# Altium PCB UmTRXv21.PcbDoc (part 9 of 19) (continued)
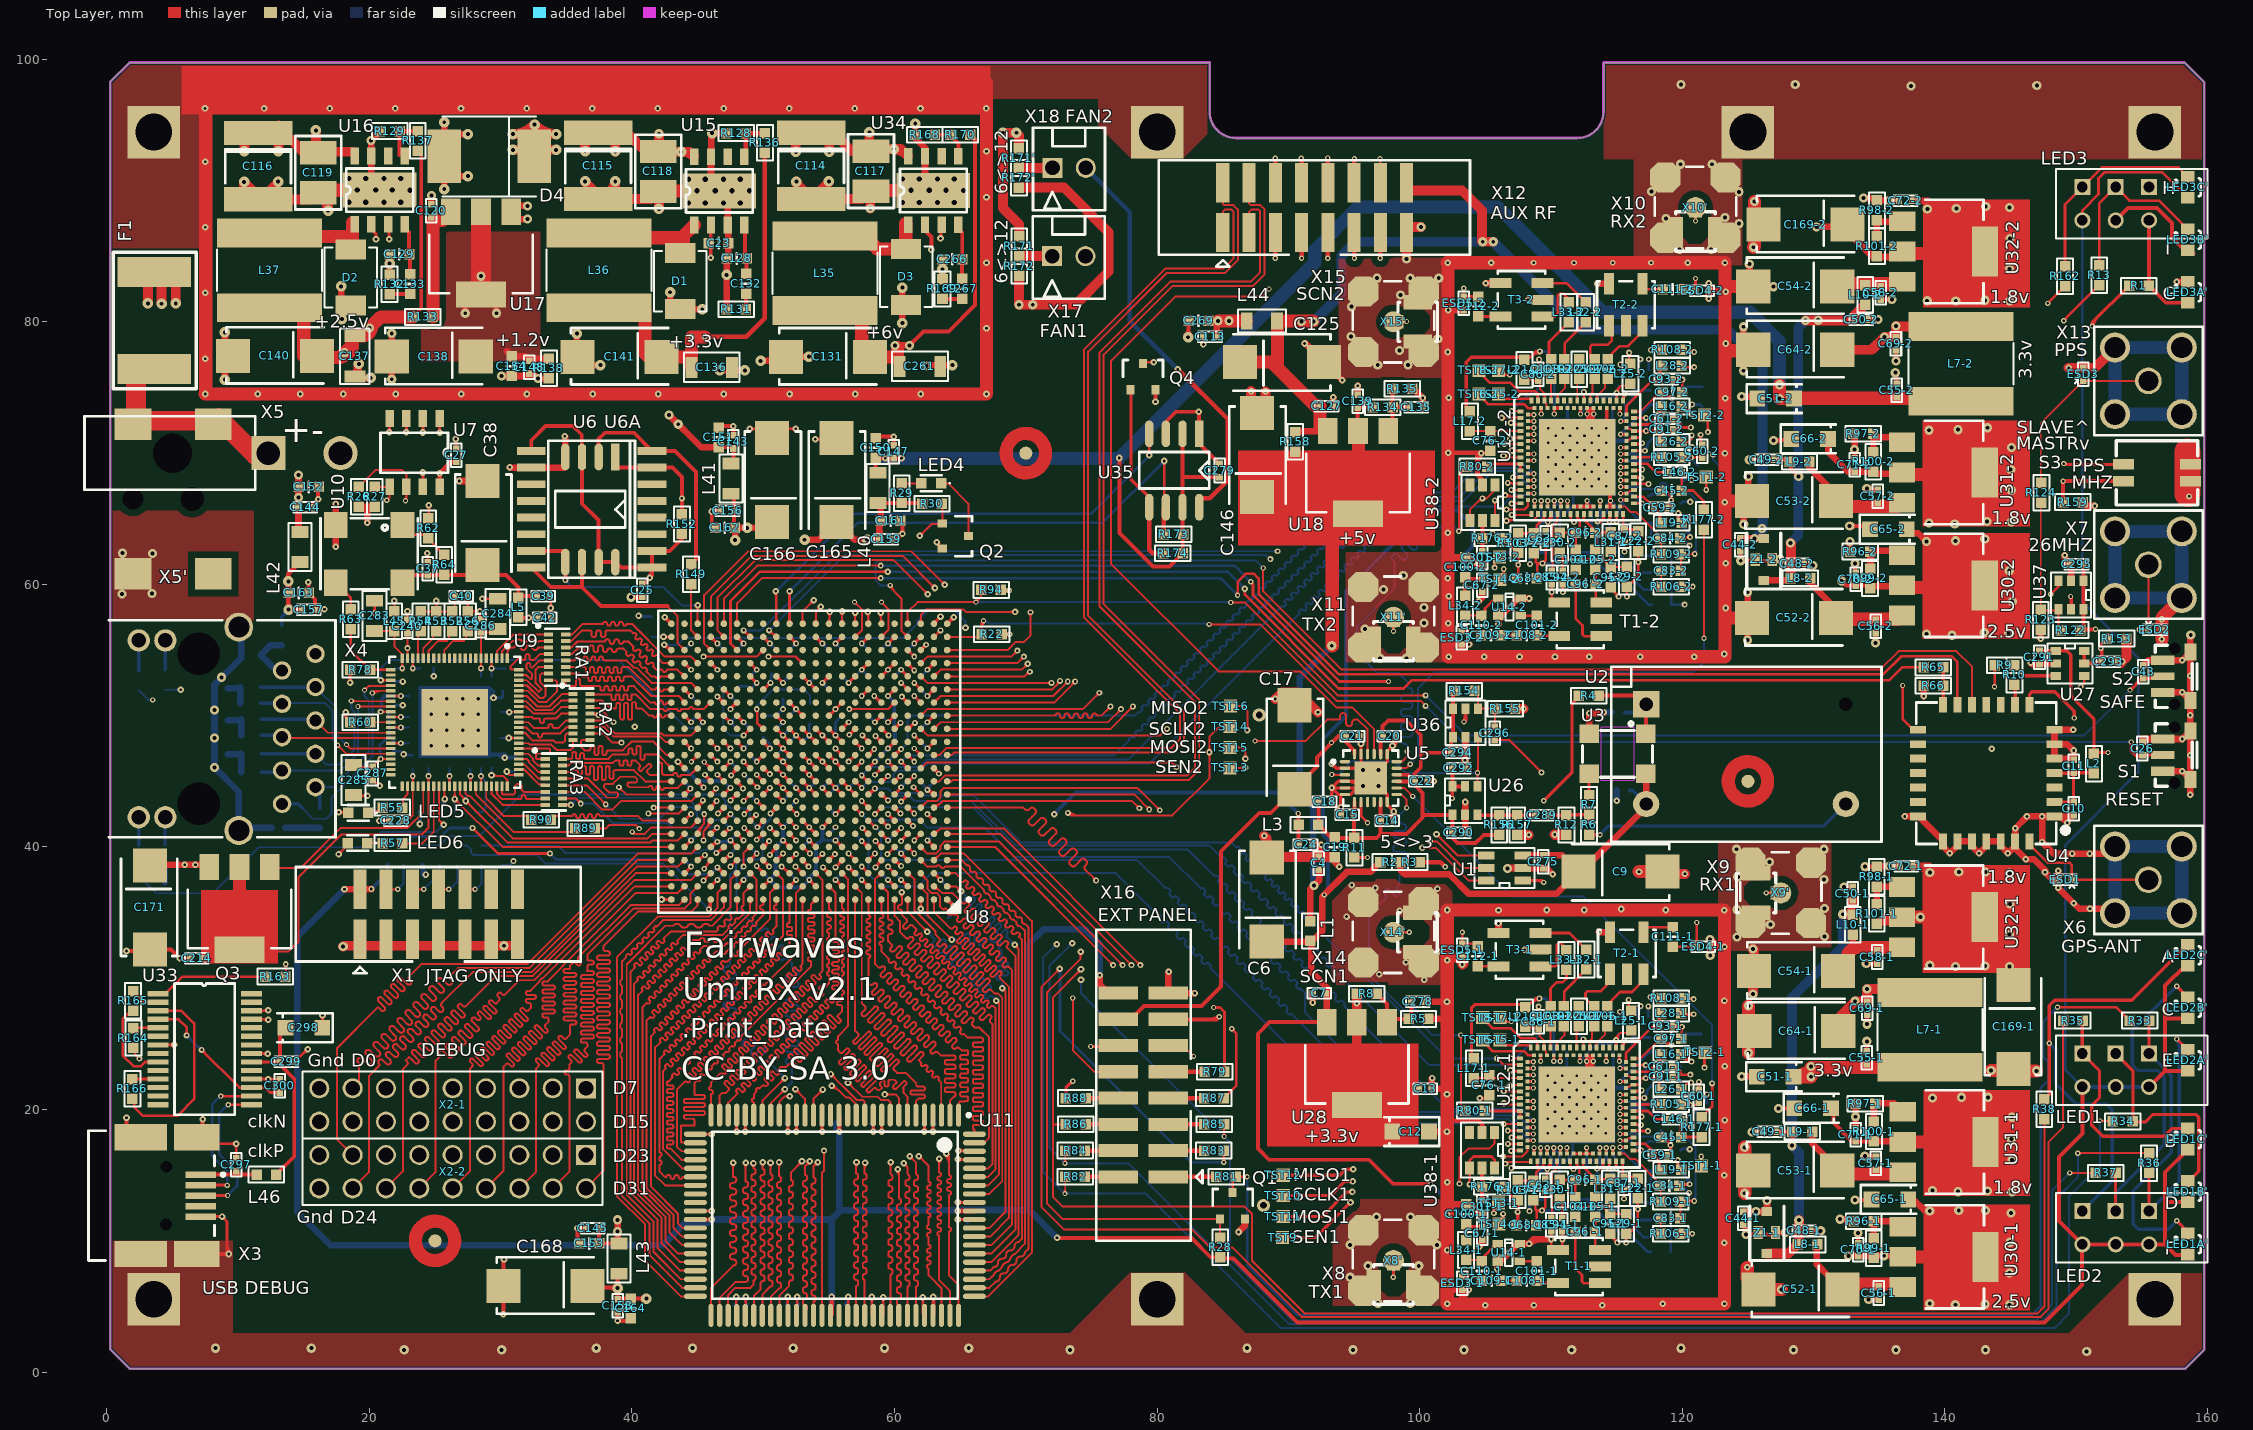
[diagram p0: Top Layer view]
## Nets (pads, with @x,y where several pads share a name; then routed paths per layer and width w, separated by ;. In a path a pad name is that pad's centre, name@x,y a point inside that pad or via, vN(x,y) a via of type N, cw(c..) or ccw(c..) an arc to the next point about the centre after c; other vN are vias at no path point) (continued)
NetC62-1_2: C62-1.2 L11-1.1 U12-1.35 | length 4.1
  Top Layer w0.2: v4@109.636,17.017 cw(c109.466,16.847) 109.707,16.847 cw(c109.948,16.847) v4@109.778,17.017 ; U12-1.35@109.707,16.638 v4@109.707,17.063
  Bottom Layer w0.2: v4@109.636,17.017 cw(c109.466,16.847) 109.707,16.847 cw(c109.948,16.847) v4@109.778,17.017 ; L11-1.1@109.657,14.638 110.211,15.192 110.211,16.134 109.707,16.638 v4(109.707,17.088) v4@109.657,17.038
NetC62-2_2: C62-2.2 L11-2.1 U12-2.35 | length 4.1
  Top Layer w0.2: v4@109.675,66.309 cw(c109.505,66.138) 109.746,66.138 cw(c109.987,66.138) v4@109.817,66.309 ; U12-2.35@109.746,65.93 v4@109.746,66.355
  Bottom Layer w0.2: v4@109.675,66.309 cw(c109.505,66.138) 109.746,66.138 cw(c109.987,66.138) v4@109.817,66.309 ; L11-2.1@109.696,63.93 110.25,64.484 110.25,65.4 C62-2.2@110.175,65.475 109.746,65.904 v4(109.746,66.38) v4@109.696,66.33
NetC63-1_2: C63-1.2 L20-1.1 U12-1.33 U12-1.36 | length 8.4
  Top Layer w0.15: C63-1.2@109.557,14.738 109.711,14.892 v1(109.711,15.458) ; v1@109.605,15.352 cw(c109.349,15.096) 109.711,15.096 cw(c110.073,15.096) v1@109.817,15.352
  Top Layer w0.2: v4@109.136,17.017 cw(c108.966,16.847) 109.207,16.847 cw(c109.448,16.847) v4@109.278,17.017 ; U12-1.33@109.207,16.638 v4@109.207,17.063 ; v1@109.654,15.57 ccw(c109.403,16.063) U12-1.36@109.957,16.063 109.957,15.604 ; v1(109.711,15.458) 109.761,15.408 109.957,15.604 ; v1@109.745,15.391 ccw(c109.569,15.737) 109.957,15.737 ; v1@109.765,15.571 ccw(c109.837,15.724) 109.957,15.604
  Bottom Layer w0.15: v4@109.119,17 cw(c108.895,16.777) 109.211,16.777 ; v4(109.207,17.088) 109.211,17.084 109.211,15.408 ; 109.211,16.796 cw(c109.499,16.796) v4@109.295,17
  Bottom Layer w0.2: L20-1.1@108.557,14.638 108.557,14.704 109.211,15.358 109.211,15.408 109.761,15.408 v1(109.711,15.458) ; 109.289,15.408 ccw(c109.289,15.88) v1@109.623,15.547
NetC63-2_2: C63-2.2 L20-2.1 U12-2.33 U12-2.36 | length 8.4
  Top Layer w0.15: C63-2.2@109.596,64.03 109.75,64.184 v1(109.75,64.75) ; v1@109.644,64.644 cw(c109.388,64.388) 109.75,64.388 cw(c110.112,64.388) v1@109.856,64.644
  Top Layer w0.2: v4@109.175,66.309 cw(c109.005,66.138) 109.246,66.138 cw(c109.487,66.138) v4@109.317,66.309 ; U12-2.33@109.246,65.93 v4@109.246,66.355 ; v1@109.693,64.861 ccw(c109.442,65.355) U12-2.36@109.996,65.355 109.996,64.896 ; v1(109.75,64.75) 109.8,64.7 109.996,64.896 ; v1@109.784,64.683 ccw(c109.608,65.029) 109.996,65.029 ; v1@109.804,64.863 ccw(c109.876,65.016) 109.996,64.896
  Bottom Layer w0.15: v4@109.158,66.291 cw(c108.934,66.068) 109.25,66.068 ; v4(109.246,66.38) 109.25,66.376 109.25,64.7 ; 109.25,66.088 cw(c109.538,66.088) v4@109.334,66.291
  Bottom Layer w0.2: L20-2.1@108.596,63.93 108.596,63.996 109.25,64.65 109.25,64.7 109.8,64.7 v1(109.75,64.75) ; 109.328,64.7 ccw(c109.328,65.172) v1@109.662,64.838
NetC73-1_1: C73-1.1 C78-1.1 L14-1.2 U12-1.60 | length 5.6
  Top Layer w0.2: v4@115.282,17.138 U12-1.60@115.707,17.138 ; v4@115.328,17.067 cw(c115.498,16.897) 115.498,17.138 cw(c115.498,17.379) v4@115.328,17.209
  Bottom Layer w0.2: v4(115.257,17.138) 115.257,17.038 116.907,15.388 C73-1.1@117.557,15.388 117.607,15.338 L14-1.2@117.607,14.088 ; v4@115.357,17.138 ccw(c115.84,17.138) 115.498,16.797
NetC73-2_1: C73-2.1 C78-2.1 L14-2.2 U12-2.60 | length 5.6
  Top Layer w0.2: v4@115.321,66.43 U12-2.60@115.746,66.43 ; v4@115.367,66.359 cw(c115.537,66.188) 115.537,66.43 cw(c115.537,66.671) v4@115.367,66.501
  Bottom Layer w0.2: v4(115.296,66.43) 115.296,66.33 116.946,64.68 C73-2.1@117.596,64.68 117.646,64.63 L14-2.2@117.646,63.38 ; v4@115.396,66.43 ccw(c115.879,66.43) 115.537,66.088
NetC74-1_1: C74-1.1 L12-1.2 U12-1.37 | length 4.8
  Top Layer w0.2: v4@110.136,17.017 cw(c109.966,16.847) 110.207,16.847 cw(c110.448,16.847) v4@110.278,17.017 ; U12-1.37@110.207,16.638 v4@110.207,17.063
  Bottom Layer w0.2: v4(110.207,17.088) 110.207,17.022 110.636,16.593 110.636,14.759 C74-1.1@110.757,14.638 L12-1.2@111.757,14.638 ; v4@110.307,17.088 ccw(c110.707,17.088) 110.424,16.805
NetC74-2_1: C74-2.1 L12-2.2 U12-2.37 | length 4.8
  Top Layer w0.2: v4@110.175,66.309 cw(c110.005,66.138) 110.246,66.138 cw(c110.487,66.138) v4@110.317,66.309 ; U12-2.37@110.246,65.93 v4@110.246,66.355
  Bottom Layer w0.2: v4(110.246,66.38) 110.246,66.314 110.675,65.885 110.675,64.051 C74-2.1@110.796,63.93 L12-2.2@111.796,63.93 ; v4@110.346,66.38 ccw(c110.746,66.38) 110.463,66.097
NetC75-1_1: C75-1.1 C79-1.1 L15-1.2 U12-1.84 | length 5.2
  Top Layer w0.2: v4@115.282,23.138 U12-1.84@115.707,23.138 ; v4@115.328,23.067 cw(c115.498,22.897) 115.498,23.138 cw(c115.498,23.379) v4@115.328,23.209
  Bottom Layer w0.2: v4(115.257,23.138) 115.707,23.588 115.707,24.289 116.207,24.789 116.207,25.488 117.481,25.488 L15-1.2@117.511,25.458 ; v4@115.257,23.238 ccw(c115.257,23.479) 115.428,23.309 ccw(c115.598,23.138) v4@115.357,23.138
NetC75-2_1: C75-2.1 C79-2.1 L15-2.2 U12-2.84 | length 5.2
  Top Layer w0.2: v4@115.321,72.43 U12-2.84@115.746,72.43 ; v4@115.367,72.359 cw(c115.537,72.188) 115.537,72.43 cw(c115.537,72.671) v4@115.367,72.501
  Bottom Layer w0.2: v4(115.296,72.43) 115.675,72.809 115.675,73.644 116.246,74.215 116.246,74.78 117.52,74.78 L15-2.2@117.55,74.75 ; v4@115.296,72.53 ccw(c115.296,72.771) 115.467,72.601 ccw(c115.637,72.43) v4@115.396,72.43
NetC76-1_1: C76-1.1 L17-1.2 U12-1.7 | length 3.5
  Top Layer w0.15: L17-1.2@104.125,22.388 C76-1.1@105.295,22.388 ; C76-1.1@105.295,22.388 U12-1.7@107.632,22.388
NetC76-2_1: C76-2.1 L17-2.2 U12-2.7 | length 3.8
  Top Layer w0.15: L17-2.2@103.825,71.679 105.334,71.679 U12-2.7@107.671,71.68
NetC77-1_1: C77-1.1 R103-1.2 U12-1.34 | length 2.9
  Top Layer w0.2: R103-1.2@107.607,14.588 C77-1.1@108.657,14.588 108.791,14.588 108.861,14.658 108.861,15.209 109.457,15.805 U12-1.34@109.457,16.063
NetC77-2_1: C77-2.1 R103-2.2 U12-2.34 | length 2.9
  Top Layer w0.2: R103-2.2@107.646,63.88 C77-2.1@108.696,63.88 108.83,63.88 108.9,63.95 108.9,64.501 109.496,65.097 U12-2.34@109.496,65.355
NetC80-1_1: C80-1.1 L13-1.2 U12-1.74 | length 4.4
  Top Layer w0.2: v4@115.282,20.638 U12-1.74@115.707,20.638 ; v4@115.328,20.567 cw(c115.498,20.397) 115.498,20.638 cw(c115.498,20.879) v4@115.328,20.709
  Bottom Layer w0.2: v4(115.257,20.638) 116.457,20.638 116.632,20.463 117.482,20.463 117.807,20.788 L13-1.2@118.257,20.788 ; v4@115.328,20.567 cw(c115.498,20.397) 115.498,20.638 cw(c115.498,20.879) v4@115.328,20.709
NetC80-2_1: C80-2.1 L13-2.2 U12-2.74 | length 4.4
  Top Layer w0.2: v4@115.321,69.93 U12-2.74@115.746,69.93 ; v4@115.367,69.859 cw(c115.537,69.688) 115.537,69.93 cw(c115.537,70.171) v4@115.367,70.001
  Bottom Layer w0.2: v4(115.296,69.93) 116.496,69.93 116.671,69.755 117.521,69.755 117.846,70.08 L13-2.2@118.296,70.08 ; v4@115.367,69.859 cw(c115.537,69.688) 115.537,69.93 cw(c115.537,70.171) v4@115.367,70.001
NetC81-1_1: C81-1.1 U12-1.1 | length 4.4
  Top Layer w0.15: v1(106.961,23.908) 107.612,23.908 U12-1.1@107.632,23.888 ; v1@107.067,23.802 cw(c107.323,23.546) 107.323,23.908 cw(c107.323,24.27) v1@107.067,24.014
  Bottom Layer w0.2: v1(106.961,23.908) 106.969,23.9 107.303,23.9 C81-1.1@108.961,25.558 ; v1@107.049,23.82 cw(c107.243,23.626) 107.243,23.9 ; v1@107.049,23.997 ccw(c107.283,24.23) 107.283,23.9
NetC81-2_1: C81-2.1 U12-2.1 | length 4.4
  Top Layer w0.15: v1(107,73.2) 107.651,73.2 U12-2.1@107.671,73.18 ; v1@107.106,73.094 cw(c107.362,72.838) 107.362,73.2 cw(c107.362,73.562) v1@107.106,73.306
  Bottom Layer w0.2: v1(107,73.2) 108.471,74.671 108.821,74.671 C81-2.1@109,74.85 ; v1@107,73.325 ccw(c107,73.627) 107.213,73.413 ccw(c107.427,73.2) v1@107.125,73.2
NetC82-1_1: C82-1.1 C83-1.1 R109-1.1 U12-1.64 | length 15.7
  Top Layer w0.15: C83-1.1@119.857,11.738 R109-1.1@119.857,12.988 119.907,13.038 v1(120.907,13.038) ; v1@120.801,12.932 ccw(c120.545,12.676) 120.545,13.038 ccw(c120.545,13.4) v1@120.801,13.144
  Top Layer w0.2: v4@115.282,18.138 U12-1.64@115.707,18.138 ; v4@115.328,18.067 cw(c115.498,17.897) 115.498,18.138 cw(c115.498,18.379) v4@115.328,18.209
  Bottom Layer w0.15: v4(115.257,18.138) 116.666,18.138 116.845,17.958 117.927,17.958 C82-1.1@118.407,18.438 119.095,17.75 120.405,17.75 121.011,17.144 121.011,13.142 v1(120.907,13.038) ccw(c120.656,13.289) 121.011,13.289 ; v4@115.345,18.05 cw(c115.559,17.836) 115.559,18.138 cw(c115.559,18.44) v4@115.345,18.226 ; v1@120.801,13.144 ccw(c120.294,13.651) 121.011,13.651
NetC82-2_1: C82-2.1 C83-2.1 R109-2.1 U12-2.64 | length 15.7
  Top Layer w0.15: C83-2.1@119.896,61.03 R109-2.1@119.896,62.28 119.946,62.33 v1(120.946,62.33) ; v1@120.84,62.224 ccw(c120.584,61.968) 120.584,62.33 ccw(c120.584,62.692) v1@120.84,62.436
  Top Layer w0.2: v4@115.321,67.43 U12-2.64@115.746,67.43 ; v4@115.367,67.359 cw(c115.537,67.188) 115.537,67.43 cw(c115.537,67.671) v4@115.367,67.501
  Bottom Layer w0.15: v4(115.296,67.43) 116.704,67.43 116.884,67.25 117.966,67.25 C82-2.1@118.446,67.73 118.67,67.73 119.475,66.925 120.561,66.925 121.05,66.436 121.05,62.434 v1(120.946,62.33) ccw(c120.695,62.581) 121.05,62.581 ; v4@115.384,67.341 cw(c115.598,67.128) 115.598,67.43 cw(c115.598,67.732) v4@115.384,67.518 ; v1@120.84,62.436 ccw(c120.333,62.943) 121.05,62.943
NetC83-1_2: C83-1.2 R106-1.2 | length 1.2
  Top Layer w0.15: R106-1.2@118.357,10.538 C83-1.2@118.357,11.738
NetC83-2_2: C83-2.2 R106-2.2 | length 1.2
  Top Layer w0.15: R106-2.2@118.396,59.83 C83-2.2@118.396,61.03
NetC84-1_2: C84-1.2 R109-1.2 U12-1.57 | length 5.4
  Top Layer w0.15: U12-1.57@115.207,16.638 115.607,16.638 116.007,16.238 116.407,16.238 118.357,14.288 R109-1.2@118.357,12.988
NetC84-2_2: C84-2.2 R109-2.2 U12-2.57 | length 5.4
  Top Layer w0.15: U12-2.57@115.246,65.93 115.646,65.93 116.046,65.53 116.446,65.53 118.396,63.58 R109-2.2@118.396,62.28
NetC85-1_2: C85-1.2 U12-1.38 | length 4.5
  Top Layer w0.15: C85-1.2@110.007,11.738 110.061,11.792 110.061,15.158 110.457,15.554 U12-1.38@110.457,16.063
NetC85-2_2: C85-2.2 U12-2.38 | length 4.5
  Top Layer w0.15: C85-2.2@110.046,61.03 110.1,61.084 110.1,64.45 110.496,64.846 U12-2.38@110.496,65.355
NetC86-1_1: C86-1.1 L21-1.1 U12-1.111 U12-1.112 | length 3.2
  Top Layer w0.15: L21-1.1@108.357,26.388 108.557,26.188 C86-1.1@109.107,26.188 ; C86-1.1@109.257,26.188 C86-1.1@109.107,26.188 ; U12-1.111@109.657,24.188 109.607,24.238 109.607,24.438 109.457,24.588 U12-1.112@109.457,24.713 109.457,25.262 109.107,25.612 C86-1.1@109.107,26.188
NetC86-2_1: C86-2.1 L21-2.1 U12-2.111 U12-2.112 | length 3.1
  Top Layer w0.15: 108.396,75.68 108.596,75.48 109.146,75.48 109.146,74.904 109.496,74.554 U12-2.112@109.496,74.005 109.496,73.88 109.646,73.73 109.646,73.53 U12-2.111@109.696,73.48
NetC87-1_1: C87-1.1 L22-1.2 U12-1.58 | length 2.3
  Top Layer w0.2: U12-1.58@115.457,16.063 115.457,14.988 C87-1.1@115.557,14.888 116.457,14.888 L22-1.2@116.607,14.738
NetC87-2_1: C87-2.1 L22-2.2 U12-2.58 | length 2.3
  Top Layer w0.2: U12-2.58@115.496,65.355 115.496,64.28 C87-2.1@115.596,64.18 116.496,64.18 L22-2.2@116.646,64.03
NetC88-1_1: C88-1.1 L23-1.1 U12-1.107 U12-1.109 | length 5.6
  Top Layer w0.2: v4@110.136,23.759 ccw(c109.966,23.93) 110.207,23.93 ccw(c110.448,23.93) v4@110.278,23.759 ; v4@110.207,23.713 U12-1.109@110.207,24.138 ; v4@110.636,23.759 ccw(c110.466,23.93) 110.707,23.93 ccw(c110.948,23.93) v4@110.778,23.759 ; v4@110.707,23.713 U12-1.107@110.707,24.138
  Bottom Layer w0.2: v4@110.136,23.759 ccw(c109.966,23.93) 110.207,23.93 ccw(c110.448,23.93) 110.278,23.759 ccw(c110.448,23.93) 110.448,23.688 ccw(c110.448,23.447) v4@110.278,23.617 ; L23-1.1@110.207,26.088 v4(110.207,23.688) v4(110.707,23.688) ; v4@110.636,23.617 ccw(c110.466,23.447) 110.466,23.688 ccw(c110.466,23.93) v4@110.636,23.759
NetC88-2_1: C88-2.1 L23-2.1 U12-2.107 U12-2.109 | length 4
  Top Layer w0.2: v4@110.175,73.051 ccw(c110.005,73.221) 110.246,73.221 ccw(c110.487,73.221) v4@110.317,73.051 ; v4@110.246,73.005 U12-2.109@110.246,73.43
  Top Layer w0.3: U12-2.109@110.321,73.43 U12-2.107@110.746,73.43
  Bottom Layer w0.2: v4@110.175,73.051 ccw(c110.005,73.221) 110.246,73.221 ccw(c110.487,73.221) v4@110.317,73.051 ; v4(110.246,72.98) L23-2.1@110.246,75.38
NetC89-1_1: C89-1.1 L24-1.2 U12-1.59 U12-1.62 U12-1.63 | length 7.6
  Top Layer w0.15: U12-1.62@115.707,17.638 115.757,17.638 115.957,17.838 116.232,17.838 U12-1.63@116.282,17.888 ; U12-1.59@116.282,16.888 v1(116.857,16.888) ; v1@116.751,16.782 ccw(c116.495,16.526) 116.495,16.888 ccw(c116.495,17.25) v1@116.751,16.994
  Top Layer w0.2: v4@115.282,17.638 U12-1.62@115.707,17.638 ; v4@115.328,17.567 cw(c115.498,17.397) 115.498,17.638 cw(c115.498,17.879) v4@115.328,17.709
  Bottom Layer w0.15: v4(115.257,17.638) 116.107,17.638 v1(116.857,16.888) L24-1.2@118.357,16.888 ; v4@115.345,17.55 cw(c115.559,17.336) 115.559,17.638 cw(c115.559,17.94) v4@115.345,17.726 ; v1@116.707,16.888 ccw(c116.345,16.888) 116.601,17.144 ccw(c116.857,17.4) v1@116.857,17.038 ; v1@116.963,16.782 cw(c117.219,16.526) 117.219,16.888 cw(c117.219,17.25) v1@116.963,16.994
NetC89-2_1: C89-2.1 L24-2.2 U12-2.59 U12-2.62 U12-2.63 | length 7.6
  Top Layer w0.15: U12-2.62@115.746,66.93 115.796,66.93 115.996,67.13 116.271,67.13 U12-2.63@116.321,67.18 ; U12-2.59@116.321,66.18 v1(116.896,66.18) ; v1@116.79,66.074 ccw(c116.534,65.818) 116.534,66.18 ccw(c116.534,66.542) v1@116.79,66.286
  Top Layer w0.2: v4@115.321,66.93 U12-2.62@115.746,66.93 ; v4@115.367,66.859 cw(c115.537,66.688) 115.537,66.93 cw(c115.537,67.171) v4@115.367,67.001
  Bottom Layer w0.15: v4@115.325,66.93 116.146,66.93 v1(116.896,66.18) L24-2.2@118.396,66.18 ; v4@115.384,66.841 cw(c115.598,66.628) 115.598,66.93 cw(c115.598,67.232) v4@115.384,67.018 ; v1@116.746,66.18 ccw(c116.384,66.18) 116.64,66.436 ccw(c116.896,66.692) v1@116.896,66.33 ; v1@117.002,66.074 cw(c117.258,65.818) 117.258,66.18 cw(c117.258,66.542) v1@117.002,66.286
  other v4: 115.296,66.93
NetC90-1_1: C90-1.1 L25-1.1 U12-1.90 U12-1.101 | length 10.6
  Top Layer w0.15: v1@114.851,25.182 cw(c114.595,24.926) 114.957,24.926 cw(c115.319,24.926) v1@115.063,25.182 ; v1@114.889,25.422 ccw(c114.834,25.532) 114.957,25.532 ; U12-1.90@114.957,24.713 v1(114.957,25.288) ; v1@115.025,25.422 cw(c115.08,25.532) 114.957,25.532 ; 115.064,25.639 ccw(c115.34,25.363) v1(114.957,25.288) ; v1@115.104,25.317 cw(c115.673,25.428) 115.263,25.838 ; L25-1.1@115.907,25.988 115.757,25.838 115.263,25.838 ; v1(114.957,25.288) 114.957,25.532 ; 114.957,25.532 115.263,25.838
  Top Layer w0.2: v4@112.136,23.759 ccw(c111.966,23.93) 112.207,23.93 ccw(c112.448,23.93) v4@112.278,23.759 ; v4@112.207,23.713 U12-1.101@112.207,24.138
  Bottom Layer w0.15: v4(112.207,23.688) 112.207,23.718 113.489,25 114.669,25 v1(114.957,25.288) ; v4@112.207,23.813 ccw(c112.207,24.042) 112.369,23.88 ; v4@112.332,23.688 cw(c112.707,23.688) 112.442,23.953 ; v1@114.807,25.288 cw(c114.445,25.288) 114.701,25.032 cw(c114.957,24.776) v1@114.957,25.138 ; v1@114.888,25.421 ccw(c114.668,25.85) C90-1.1@115.15,25.85 115.15,25.481 v1(114.957,25.288) ; C90-1.1@115.15,25.604 cw(c114.795,25.604) v1(114.957,25.288)
NetC90-2_1: C90-2.1 L25-2.1 U12-2.90 U12-2.101 | length 10.2
  Top Layer w0.15: v1@114.89,74.474 cw(c114.634,74.218) 114.996,74.218 cw(c115.358,74.218) v1@115.102,74.474 ; U12-2.90@114.996,74.005 v1(114.996,74.58) ; 115.111,74.911 ccw(c115.395,74.627) v1(114.996,74.58) ; v1@115.145,74.597 cw(c115.787,74.673) 115.33,75.13 ; L25-2.1@115.946,75.28 115.796,75.13 115.33,75.13 ; v1(114.996,74.58) 114.996,74.796 115.33,75.13
  Top Layer w0.2: v4@112.175,73.051 ccw(c112.005,73.221) 112.246,73.221 ccw(c112.487,73.221) v4@112.317,73.051 ; v4@112.246,73.005 U12-2.101@112.246,73.43
  Bottom Layer w0.15: v4(112.246,72.98) 112.246,73.01 113.461,74.225 114.641,74.225 v1(114.996,74.58) ; v4@112.246,73.105 ccw(c112.246,73.333) 112.408,73.172 ; v4@112.371,72.98 cw(c112.746,72.98) 112.481,73.245 ; v1@114.846,74.58 cw(c114.484,74.58) 114.74,74.324 cw(c114.996,74.068) v1@114.996,74.43 ; v1@114.912,74.704 ccw(c114.613,75.15) C90-2.1@115.15,75.15 115.15,74.734 v1(114.996,74.58) ; 115.15,74.869 cw(c114.802,74.869) v1(114.996,74.58)
NetC91-1_1: C91-1.1 L26-1.2 U12-1.78 U12-1.79 U12-1.81 U12-1.82 U12-1.85 | length 9.2
  Top Layer w0.2: U12-1.82@115.705,22.633 U12-1.81@116.285,22.394 ; U12-1.78@115.707,21.638 116.207,21.888 U12-1.79@116.282,21.888 116.657,21.888 116.807,22.038 116.807,22.388 ; U12-1.81@116.207,22.388 116.807,22.388 ; U12-1.85@116.282,23.388 v1@117.107,23.388 ; v1@117.119,22.3 ccw(c116.905,22.086) 116.905,22.388 ccw(c116.905,22.69) v1@117.119,22.476 ; v1@117.119,23.3 ccw(c116.905,23.086) 116.905,23.388 ccw(c116.905,23.69) v1@117.119,23.476 ; v1@117.295,22.3 cw(c117.509,22.086) 117.509,22.388 cw(c117.509,22.69) v1@117.295,22.476 ; L26-1.2@118.257,21.738 118.257,22.438 118.207,22.388 v1(117.207,22.388) 116.807,22.388
  Bottom Layer w0.2: v1@117.119,22.476 ccw(c116.905,22.69) 117.207,22.69 ccw(c117.509,22.69) v1@117.295,22.476 ; v1@117.119,23.3 cw(c116.905,23.086) 117.207,23.086 cw(c117.509,23.086) v1@117.295,23.3 ; v1(117.207,22.388) v1(117.207,23.388)
NetC91-2_1: C91-2.1 L26-2.2 U12-2.78 U12-2.79 U12-2.81 U12-2.82 U12-2.85 | length 9.2
  Top Layer w0.2: U12-2.82@115.744,71.925 116.323,71.686 U12-2.81@116.338,71.68 ; U12-2.78@115.746,70.93 116.246,71.18 U12-2.79@116.321,71.18 116.696,71.18 116.846,71.33 116.846,71.68 ; U12-2.81@116.246,71.68 U12-2.81@116.338,71.68 ; U12-2.85@116.321,72.68 v1@117.146,72.68 ; U12-2.81@116.35,71.675 U12-2.81@116.338,71.68 ; v1@117.158,71.591 ccw(c116.944,71.378) 116.944,71.68 ccw(c116.944,71.982) v1@117.158,71.768 ; v1@117.158,72.591 ccw(c116.944,72.378) 116.944,72.68 ccw(c116.944,72.982) v1@117.158,72.768 ; v1@117.334,71.591 cw(c117.548,71.378) 117.548,71.68 cw(c117.548,71.982) v1@117.334,71.768 ; L26-2.2@118.296,71.03 118.296,71.73 118.246,71.68 v1(117.246,71.68) 116.846,71.68 ; U12-2.81@116.338,71.68 116.846,71.68
  Bottom Layer w0.2: v1@117.158,71.768 ccw(c116.944,71.982) 117.246,71.982 ccw(c117.548,71.982) v1@117.334,71.768 ; v1@117.158,72.591 cw(c116.944,72.378) 117.246,72.378 cw(c117.548,72.378) v1@117.334,72.591 ; v1(117.246,71.68) v1(117.246,72.68)
NetC92-1_1: C92-1.1 L27-1.1 U12-1.43 U12-1.45 U12-1.47 U12-1.49 | length 5.7
  Top Layer w0.2: U12-1.43@111.707,16.638 U12-1.45@112.207,16.638 U12-1.47@112.707,16.638 ; v4@112.636,17.017 cw(c112.466,16.847) 112.707,16.847 cw(c112.948,16.847) v4@112.778,17.017 ; v4@112.707,17.063 U12-1.47@112.707,16.638 ; U12-1.49@113.207,16.638 U12-1.47@112.707,16.638
  Bottom Layer w0.2: v4@112.636,17.017 cw(c112.466,16.847) 112.707,16.847 cw(c112.948,16.847) v4@112.778,17.017 ; v4(112.707,17.088) 112.707,16.157 112.7,16.15 ; L27-1.1@112.857,14.638 112.707,14.788 112.707,16.143 112.7,16.15 ; C92-1.1@113.225,16.15 112.7,16.15
NetC92-2_1: C92-2.1 L27-2.1 U12-2.43 U12-2.45 U12-2.47 U12-2.49 | length 5
  Top Layer w0.3: U12-2.43@111.746,65.93 U12-2.45@112.246,65.93 U12-2.47@112.746,65.93 ; v4@112.746,66.355 U12-2.47@112.746,65.93 ; U12-2.49@113.246,65.93 U12-2.47@112.746,65.93
  Bottom Layer w0.2: v4@112.746,66.28 cw(c112.746,66.038) 112.917,66.209 cw(c113.087,66.38) v4@112.846,66.38 ; v4(112.746,66.38) 113.1,66.026 113.1,64.134 L27-2.1@112.896,63.93
NetC93-1_1: C93-1.1 L28-1.2 U12-1.86 | length 5.1
  Top Layer w0.2: U12-1.86@115.707,23.638 115.707,24.289 117.668,26.25 118.257,26.25 118.257,27.088 L28-1.2@118.407,27.238
NetC93-2_1: C93-2.1 L28-2.2 U12-2.86 | length 5.1
  Top Layer w0.2: U12-2.86@115.746,72.93 115.746,73.581 117.595,75.43 C93-2.1@118.296,75.43 ; C93-2.1@118.296,75.48 118.296,76.38 L28-2.2@118.446,76.53
NetC94-1_2: C94-1.2 C95-1.1 L29-1.1 L30-1.1 L31-1.1 | length 7.8
  Top Layer w0.15: L31-1.1@114.507,13.188 C95-1.1@114.507,12.038 L29-1.1@115.607,12.038
  Top Layer w0.2: L30-1.1@110.757,13.138 L30-1.1@110.857,13.038 ; C94-1.2@110.857,11.738 L30-1.1@110.857,13.038 ; C95-1.1@114.507,12.038 113.938,12.607 111.288,12.607 L30-1.1@110.857,13.038
NetC94-2_2: C94-2.2 C95-2.1 L29-2.1 L30-2.1 L31-2.1 | length 7.8
  Top Layer w0.15: L31-2.1@114.546,62.48 114.546,61.33 L29-2.1@115.646,61.33
  Top Layer w0.2: L30-2.1@110.796,62.43 L30-2.1@110.896,62.33 ; C94-2.2@110.896,61.03 L30-2.1@110.896,62.33 ; L30-2.1@110.896,62.38 L30-2.1@110.896,62.33 ; C95-2.1@114.546,61.33 113.977,61.899 111.327,61.899 L30-2.1@110.896,62.33
NetC96'-1_1: C96'-1.1 C105-1.2 T1-1.1 | length 2.4
  Top Layer w0.2: C105-1.2@113.357,11.638 113.357,10.212 ; 113.361,10.208 113.357,10.212 ; T1-1.1@113.661,9.328 113.357,9.632 113.357,10.212
NetC96'-1_2: C96'-1.2 C104-1.2 T1-1.3 | length 6.3
  Top Layer w0.2: C104-1.2@111.857,11.638 111.857,7.893 112.361,7.389 112.361,6.908 112.511,6.758 113.631,6.758 T1-1.3@113.661,6.788
NetC96'-2_1: C96'-2.1 C105-2.2 T1-2.1 | length 2.4
  Top Layer w0.2: C105-2.2@113.396,60.93 113.396,59.504 ; 113.4,59.5 113.396,59.504 ; T1-2.1@113.7,58.62 113.396,58.924 113.396,59.504
NetC96'-2_2: C96'-2.2 C104-2.2 T1-2.3 | length 6.3
  Top Layer w0.2: C104-2.2@111.896,60.93 111.896,57.379 112.4,56.875 112.4,56.2 112.55,56.05 113.67,56.05 T1-2.3@113.7,56.08
NetC96-1_1: C96-1.1 C105-1.1 L31-1.2 U12-1.46 | length 4.4
  Top Layer w0.2: U12-1.46@112.457,16.063 112.457,15.638 C96-1.1@113.407,14.688 ; C105-1.1@113.357,13.138 113.407,13.188 C96-1.1@113.407,14.688 ; L31-1.2@114.507,14.688 C96-1.1@113.407,14.688
NetC96-1_2: C96-1.2 C104-1.1 L30-1.2 U12-1.44 | length 4.2
  Top Layer w0.2: L30-1.2@110.757,14.638 C96-1.2@111.857,14.638 ; C104-1.1@111.857,13.138 C104-1.1@111.857,13.338 C96-1.2@111.857,14.638 ; U12-1.44@111.957,16.063 111.957,15.813 112.136,15.634 112.136,14.917 C96-1.2@111.857,14.638
NetC96-2_1: C96-2.1 C105-2.1 L31-2.2 U12-2.46 | length 4.4
  Top Layer w0.2: U12-2.46@112.496,65.355 112.496,64.93 C96-2.1@113.446,63.98 ; C105-2.1@113.396,62.43 113.446,62.48 C96-2.1@113.446,63.98 ; L31-2.2@114.546,63.98 C96-2.1@113.446,63.98
NetC96-2_2: C96-2.2 C104-2.1 L30-2.2 U12-2.44 | length 3.9
  Top Layer w0.2: L30-2.2@110.796,63.93 C96-2.2@111.531,63.93 ; C104-2.1@111.896,62.43 C104-2.1@111.896,62.63 C96-2.2@111.896,63.93 ; C96-2.2@111.946,63.98 C96-2.2@111.896,63.93 ; U12-2.44@111.996,65.355 111.996,65.105 112.175,64.926 112.175,64.23 111.875,63.93 C96-2.2@111.896,63.93
NetC97-1_2: C97-1.2 R119-1.1 U12-1.87 | length 8
  Top Layer w0.15: U12-1.87@116.282,23.888 116.807,23.888 118.327,25.408 C97-1.2@118.411,25.408 118.911,24.908 ; C97-1.2@118.478,25.341 ccw(c119.161,26.023) v1@119.161,25.058 ; C97-1.2@118.734,25.085 ccw(c119.161,25.511) v1(119.161,24.908) 118.911,24.908 ; v1@119.029,24.838 ccw(c118.911,24.775) 118.911,24.908 ; v1@119.029,24.979 cw(c118.911,25.041) 118.911,24.908
  Bottom Layer w0.15: v1@119.055,24.802 cw(c118.799,24.546) 119.161,24.546 cw(c119.523,24.546) v1@119.267,24.802 ; v1(119.161,24.908) 119.111,24.858 119.161,24.808 119.161,23.708 119.411,23.458 119.711,23.458 R119-1.1@119.911,23.258
NetC97-2_2: C97-2.2 R119-2.1 U12-2.87 | length 8
  Top Layer w0.15: U12-2.87@116.321,73.18 116.846,73.18 118.366,74.7 118.45,74.7 118.95,74.2 ; C97-2.2@118.517,74.633 ccw(c119.2,75.315) v1@119.2,74.35 ; C97-2.2@118.773,74.377 ccw(c119.2,74.803) v1(119.2,74.2) 118.95,74.2 ; v1@119.067,74.129 ccw(c118.95,74.067) 118.95,74.2 ; v1@119.068,74.271 cw(c118.95,74.333) 118.95,74.2
  Bottom Layer w0.15: v1@119.094,74.094 cw(c118.838,73.838) 119.2,73.838 cw(c119.562,73.838) v1@119.306,74.094 ; v1(119.2,74.2) 119.15,74.15 119.2,74.1 119.2,73 119.45,72.75 119.75,72.75 R119-2.1@119.95,72.55
NetC98-1_1: C98-1.1 C99-1.1 R119-1.2 U12-1.80 | length 7.5
  Top Layer w0.2: v4@115.282,22.138 U12-1.80@115.707,22.138 ; v4@115.328,22.067 cw(c115.498,21.897) 115.498,22.138 cw(c115.498,22.379) v4@115.328,22.209
  Bottom Layer w0.2: v4(115.257,22.138) 117.527,24.408 C98-1.1@118.411,24.408 ; v4@115.257,22.238 ccw(c115.257,22.479) 115.428,22.309 ccw(c115.598,22.138) v4@115.357,22.138 ; R119-1.2@118.411,23.258 C98-1.1@118.411,24.408 ; C99-1.1@118.411,25.508 C98-1.1@118.411,24.408
NetC98-2_1: C98-2.1 C99-2.1 R119-2.2 U12-2.80 | length 7.5
  Top Layer w0.2: v4@115.321,71.43 U12-2.80@115.746,71.43 ; v4@115.367,71.359 cw(c115.537,71.188) 115.537,71.43 cw(c115.537,71.671) v4@115.367,71.501
  Bottom Layer w0.2: v4(115.296,71.43) 117.566,73.7 C98-2.1@118.45,73.7 ; v4@115.296,71.53 ccw(c115.296,71.771) 115.467,71.601 ccw(c115.637,71.43) v4@115.396,71.43 ; R119-2.2@118.45,72.55 C98-2.1@118.45,73.7 ; C99-2.1@118.45,74.8 C98-2.1@118.45,73.7
NetC99-1_2: C99-1.2 R121-1.1 | length 1.7
  Bottom Layer w0.2: C99-1.2@119.911,25.508 120.161,25.758 R121-1.1@121.461,25.758
NetC99-2_2: C99-2.2 R121-2.1 | length 1.7
  Bottom Layer w0.2: C99-2.2@119.95,74.8 120.2,75.05 R121-2.1@121.5,75.05
NetC101-1_1: C101-1.1 C108-1.1 T1-1.4 | length 1.8
  Top Layer w0.2: C101-1.1@108.65,6.788 T1-1.4@110.461,6.788
NetC101-1_2: C101-1.2 U14-1.3 | length 1.1
  Top Layer w0.2: U14-1.3@107.625,8.45 C101-1.2@108.75,8.45
NetC101-2_1: C101-2.1 C108-2.1 T1-2.4 | length 1.8
  Top Layer w0.2: C101-2.1@108.7,56.08 T1-2.4@110.5,56.08
NetC101-2_2: C101-2.2 U14-2.3 | length 1.2
  Top Layer w0.2: U14-2.3@107.675,57.625 C101-2.2@108.9,57.625
NetC102-1_1: C102-1.1 U12-1.108 | length 1.9
  Top Layer w0.15: U12-1.108@110.457,24.713 110.457,25.104 111.011,25.658 C102-1.1@111.011,26.358
NetC102-1_2: C102-1.2 L32-1.1 | length 3.5
  Top Layer w0.2: C102-1.2@111.011,27.858 111.011,29.011 L32-1.1@112.675,30.675
NetC102-2_1: C102-2.1 U12-2.108 | length 1.9
  Top Layer w0.15: U12-2.108@110.496,74.005 110.496,74.396 111.05,74.95 C102-2.1@111.05,75.65
NetC102-2_2: C102-2.2 L32-2.1 | length 3.5
  Top Layer w0.2: C102-2.2@111.05,77.15 111.05,78.375 L32-2.1@112.65,79.975
NetC103-1_1: C103-1.1 U12-1.110 | length 1.6
  Top Layer w0.15: U12-1.110@109.957,24.713 109.957,26.354 C103-1.1@109.961,26.358
NetC103-1_2: C103-1.2 L33-1.1 | length 3.6
  Top Layer w0.2: C103-1.2@109.961,27.858 109.961,29.209 110.452,29.7 110.9,29.7 111.175,29.975 L33-1.1@111.175,30.65
NetC103-2_1: C103-2.1 U12-2.110 | length 1.6
  Top Layer w0.15: U12-2.110@109.996,74.005 109.996,75.646 C103-2.1@110,75.65
NetC103-2_2: C103-2.2 L33-2.1 | length 3.5
  Top Layer w0.2: C103-2.2@110,77.15 109.85,77.3 109.85,78.475 L33-2.1@111.35,79.975
NetC106-1_1: C106-1.1 U12-1.96 | length 2
  Top Layer w0.15: U12-1.96@113.457,24.713 113.457,25.054 114.1,25.697 114.1,26.15 C106-1.1@114.3,26.35
NetC106-1_2: C106-1.2 T2-1.1 | length 4.2
  Top Layer w0.2: C106-1.2@114.157,27.838 115.269,28.95 116.15,28.95 117.045,29.845 T2-1.1@117.045,30.3
NetC106-2_1: C106-2.1 U12-2.96 | length 2
  Top Layer w0.15: U12-2.96@113.496,74.005 113.496,74.346 114.125,74.975 114.125,75.45 C106-2.1@114.325,75.65
NetC106-2_2: C106-2.2 T2-2.1 | length 4.1
  Top Layer w0.2: C106-2.2@114.196,77.13 115.216,78.15 115.875,78.15 116.97,79.245 T2-2.1@116.97,79.7
NetC107-1_1: C107-1.1 U12-1.98 | length 1.7
  Top Layer w0.15: U12-1.98@112.957,24.713 112.957,25.232 113.111,25.386 C107-1.1@113.111,26.358
NetC107-1_2: C107-1.2 T2-1.3 | length 4
  Top Layer w0.2: C107-1.2@113.111,27.858 113.111,27.964 112.625,28.45 112.625,28.875 112.775,29.025 113.8,29.025 114.505,29.73 T2-1.3@114.505,30.3
NetC107-2_1: C107-2.1 U12-2.98 | length 1.7
  Top Layer w0.15: U12-2.98@112.996,74.005 112.996,74.471 113.15,74.625 C107-2.1@113.15,75.65
NetC107-2_2: C107-2.2 T2-2.3 | length 4.1
  Top Layer w0.2: C107-2.2@113.15,77.15 112.975,77.325 112.975,78.1 113.125,78.25 114.3,78.25 114.625,78.575 114.625,79.075 114.43,79.27 T2-2.3@114.43,79.7
NetC108-1_2: C108-1.2 C109-1.1 | length 1.2
  Top Layer w0.2: C109-1.1@106.225,6.95 C108-1.2@107.4,6.95
NetC108-2_2: C108-2.2 C109-2.1 | length 1.2
  Top Layer w0.2: C109-2.1@106.175,56.125 C108-2.2@107.4,56.125
NetC110-1_1: C110-1.1 L34-1.2 U14-1.1 | length 2.9
  Top Layer w0.15: L34-1.2@103.525,8.55 104.624,8.55 C110-1.1@104.725,8.651 ; U14-1.1@105.824,9.75 U14-1.1@105.925,9.75
  Top Layer w0.2: C110-1.1@104.725,8.651 U14-1.1@105.824,9.75
NetC110-2_1: C110-2.1 L34-2.2 U14-2.1 | length 3.2
  Top Layer w0.15: L34-2.2@103.45,57.625 C110-2.1@104.675,57.625
  Top Layer w0.2: C110-2.1@104.675,57.625 104.975,57.925 104.975,58.175 105.725,58.925 U14-2.1@105.975,58.925
NetC111-1_2: C111-1.2 T2-1.6 | length 2.8
  Top Layer w0.15: T2-1.6@117.045,33.5 117.045,34.045 T2-1.6@117.19,33.9
  Top Layer w0.2: T2-1.6@117.19,33.9 C111-1.2@119.275,33.9
NetC111-2_2: C111-2.2 T2-2.6 | length 1.8
  Top Layer w0.2: T2-2.6@116.97,82.9 116.97,82.68 117.175,82.475 C111-2.2@118.5,82.475